# Altium PCB Radxa_E25_V1.4_20220119.PcbDoc (part 5 of 5)
Units mil, origin at the board's own origin, x right, y up, seen from the top; angles counter-clockwise.
Board outline 3106.31 x 2679.13 mil, 6 copper layers (Top, GND1, S1, Power, GND2, Bottom), stack 58.1 mil thick; 477 components, 352 nets, 1856 pads, 1064 vias.
Unrouted connection lines stored in the file: 297.
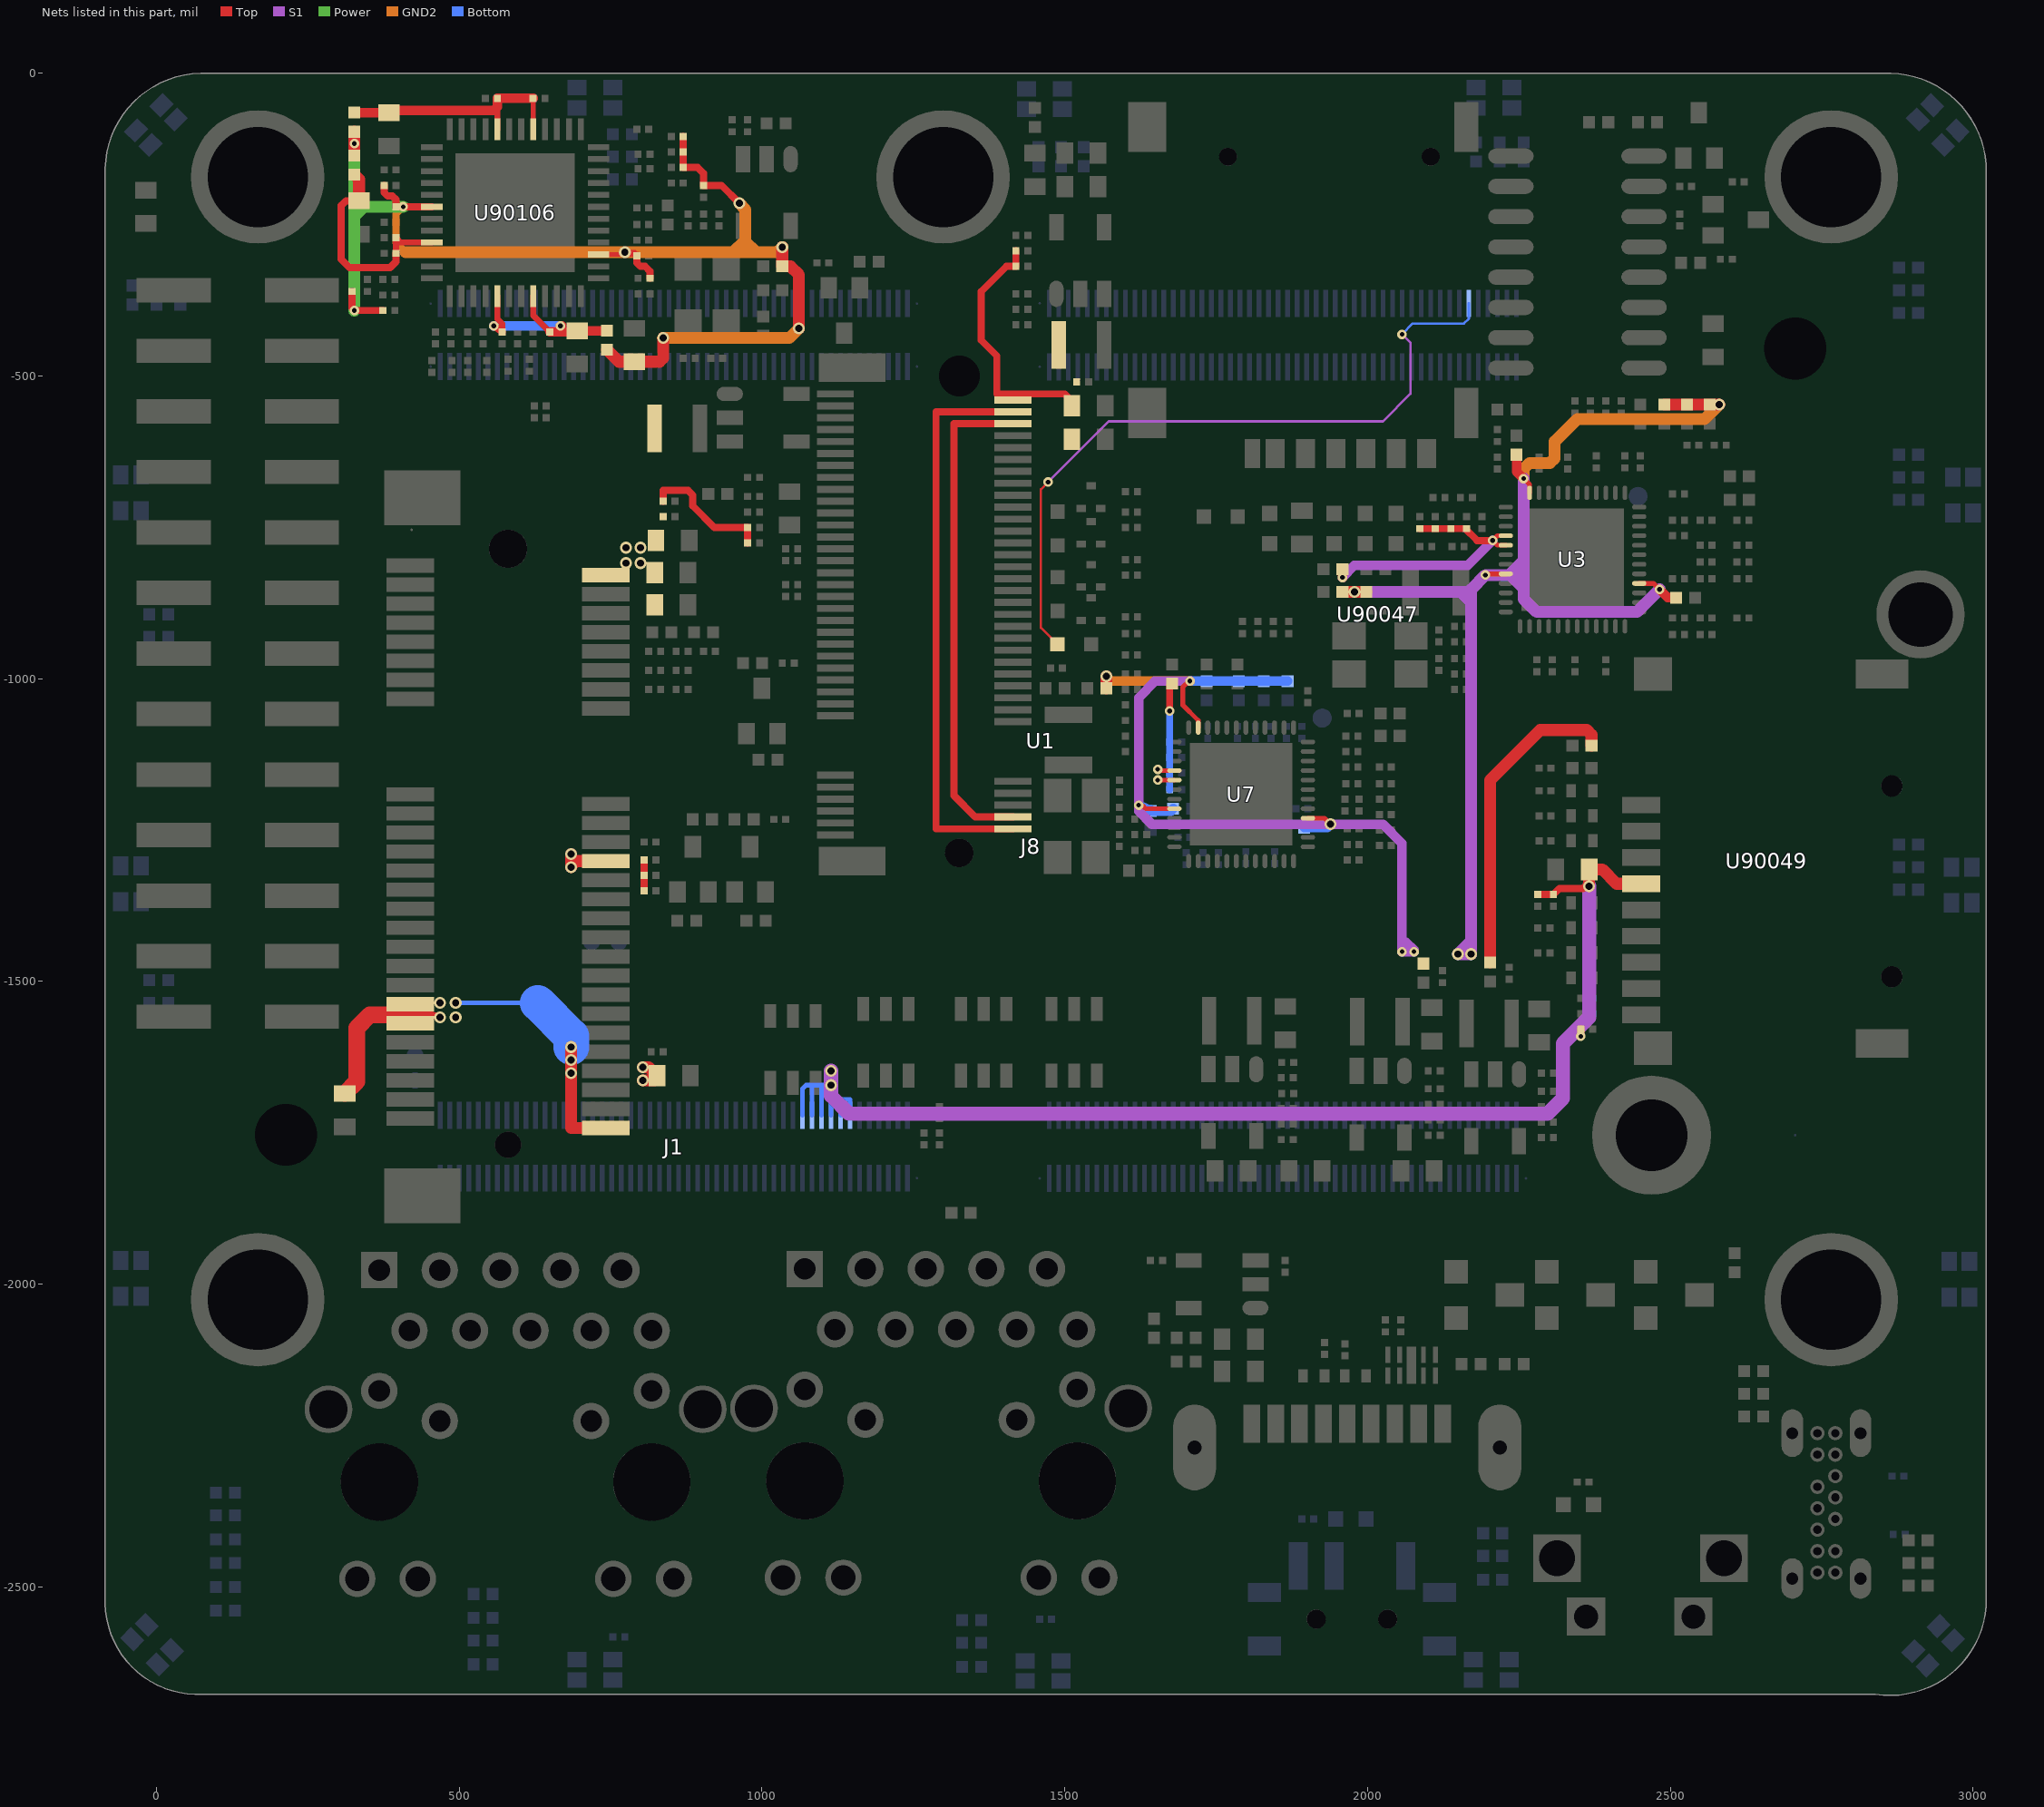
[diagram p9: the nets of this part, all layers, seen from the top]

## Via types
v1: diameter 15.75, hole 7.87, Top to Bottom, 825 vias
v2: diameter 19.68, hole 11.81, Top to Bottom, 239 vias

## Nets (pads, with @x,y where several pads share a name; then routed paths per layer and width w, separated by ;. In a path a pad name is that pad's centre, name@x,y a point inside that pad or via, vN(x,y) a via of type N, cw(c..) or ccw(c..) an arc to the next point about the centre after c; other vN are vias at no path point) (continued)
VCC: C90287.1 C90288.1 C90297.1 FB2.1 FB3.2 FB4.2 FB5.2 R90555.1 R90557.1 R90559.1 R90560.1 R90588.1 R90590.1 R90594.1 R90613.1 U90106.15 U90106.42 | length 2313.9
  Top w7.87: U90106.15@730.31,-299.21 791.34,-299.21 C90287.1@793.31,-301.18
  Top w11.81: R90560.1@322.83,-360.24 322.83,-387.8 v1(326.77,-391.73) R90557.1@374.02,-391.73 ; R90588.1@375.98,-185.04 375.98,-196.85 381.89,-202.76 389.76,-202.76 395.67,-208.66 C90288.1@395.67,-220.47 v1(407.48,-220.47) U90106.42@454.72,-220.47 ; v2(773.62,-295.28) 773.62,-297.24 789.37,-297.24 C90287.1@791.34,-299.21 ; C90287.1@793.31,-301.18 793.31,-312.99 799.21,-318.9 807.09,-318.9 814.96,-326.77 R90594.1@814.96,-338.58 ; R90555.1@870.08,-104.33 R90590.1@870.08,-129.92 R90559.1@870.08,-155.51 893.7,-155.51 903.54,-165.35 R90613.1@903.54,-185.04 933.07,-185.04 v2(962.6,-214.57)
  Top w19.68: FB4.2@326.77,-135.83 v1(326.77,-116.14) FB3.2@326.77,-96.46 ; FB5.2@744.09,-456.69 763.78,-476.38 830.71,-476.38 836.61,-470.47 v2(836.61,-437.01) ; v2(1033.46,-287.4) FB2.1@1033.46,-318.9 1047.24,-318.9 1061.02,-332.68 v2(1061.02,-421.26)
  Power w19.68: v1(326.77,-391.73) 326.77,-236.22 ; v1(326.77,-116.14) 326.77,-202.76 ; v1(407.48,-220.47) 342.52,-220.47 ; 326.77,-236.22 326.77,-220.47 ; 326.77,-236.22 342.52,-220.47 ; 326.77,-220.47 342.52,-220.47 ; 326.77,-220.47 326.77,-202.76 ; 326.77,-202.76 342.52,-218.5 342.52,-220.47
  GND2 w11.81: v1(407.48,-220.47) 395.67,-232.28 395.67,-279.53 411.42,-295.28
  GND2 w19.68: 411.42,-295.28 v2(773.62,-295.28) 952.76,-295.28 ; v2(836.61,-437.01) 1045.28,-437.01 v2(1061.02,-421.26) ; v2(962.6,-214.57) 972.44,-224.94 972.44,-277.56 ; v2(1033.46,-287.4) 1025.59,-295.28 990.16,-295.28 ; 952.76,-295.28 972.44,-295.28 ; 952.76,-295.28 970.47,-277.56 972.44,-277.56 ; 972.44,-295.28 990.16,-295.28 ; 972.44,-295.28 972.44,-277.56 ; 972.44,-277.56 990.16,-295.28
VCC3V3_MINIPCIE: C98.1 C99.1 C100.1 C101.1 C102.1 C103.1 C104.1 C105.1 C107.1 C108.1 C109.1 J8.2 J8.24 J8.39 J8.41 J8.52 L6.2 R109.1 | length 1096.6
  Top w11.81: 442.91,-1555.12 454.72,-1555.12 v2(468.5,-1559.06) ; C105.1@805.12,-1350.39 C99.1@805.12,-1324.8 C103.1@805.12,-1299.21 ; C101.1@836.61,-706.69 836.61,-688.98 877.95,-688.98 885.83,-696.85 885.83,-714.57 921.26,-750 C107.1@976.38,-750 R109.1@976.38,-775.59
  Top w19.68: v2(685.04,-1608.27) v2(685.04,-1629.92) v2(685.04,-1651.57) 685.04,-1742.13 J8.52@742.13,-1742.13 ; v2(685.04,-1311.02) v2@685.04,-1309.06 ; v2(685.04,-1289.37) v2@685.04,-1309.06 ; J8.24@742.13,-1301.18 692.91,-1301.18 v2@685.04,-1309.06 ; v2(803.15,-1663.39) 822.83,-1663.39 822.83,-1659.45 C98.1@826.77,-1655.51 812.99,-1641.73 v2(803.15,-1641.73)
  Top w27.56: C100.1@311.02,-1685.04 330.71,-1665.35 330.71,-1576.77 352.36,-1555.12 442.91,-1555.12
  Bottom w7.87: v2(494.09,-1535.43) 629.92,-1535.43
  Bottom w59.06: 629.92,-1535.43 685.04,-1590.55 v2(685.04,-1608.27)
  other v2: 494.09,-1559.06 468.5,-1535.43 775.59,-809.06 799.21,-809.06 775.59,-783.46 799.21,-783.46
VCC3V3_PCIE30X1: C90283.1 C90301.1 C90302.1 C90303.1 L7.2 R90652.1 U90047.2 U90047.4 U90047.70 U90047.72 U90047.74 | length 2183.9
  Top w11.81: U90047.2@1414.57,-1248.03 1287.4,-1248.03 1287.4,-559.06 U90047.72@1414.57,-559.06 ; U90047.4@1414.57,-1228.35 1352.36,-1228.35 1316.93,-1192.91 1316.93,-578.74 U90047.70@1414.57,-578.74 ; C90301.1@1419.29,-293.31 R90652.1@1419.29,-318.9 1403.54,-318.9 1362.2,-360.24 1362.2,-440.94 1387.8,-466.54 1387.8,-529.53 1500,-529.53 1511.81,-541.34 C90302.1@1511.81,-549.21
VCC3V3_SD: C122.1 C123.1 J1.78 J1.80 J1.82 J1.84 R145.1 R90615.2 U90049.4 | length 2125.1
  Top w11.81: R145.1@2281.5,-1356.3 C123.1@2307.09,-1356.3 2316.93,-1346.46 2356.3,-1346.46 2362.2,-1340.55 v2@2366.14,-1340.55 ; v1(2352.36,-1590.55) R90615.2@2352.36,-1578.74
  Top w19.68: v2(2366.14,-1342.52) 2366.14,-1340.55 C122.1@2366.14,-1314.96 2387.79,-1314.96 2411.42,-1338.58 U90049.4@2452.14,-1338.58
  S1 w11.81: 2350.39,-1574.8 2352.36,-1576.77 v1(2352.36,-1590.55)
  S1 w23.62: v2(1114.17,-1647.64) v2(1114.17,-1671.26) 1114.17,-1688.98 1143.7,-1718.5 2297.24,-1718.5 2322.83,-1692.91 2322.83,-1602.36 2350.39,-1574.8 2366.14,-1559.06 v2(2366.14,-1342.52)
  Bottom w7.87: J1.78@1066.93,-1720.87 1066.93,-1677.17 1072.83,-1671.26 1084.65,-1671.26 ; J1.80@1082.68,-1720.87 1082.68,-1673.23 1084.65,-1671.26 ; J1.82@1098.43,-1720.87 1098.43,-1673.23 ; J1.84@1114.17,-1720.87 v2(1114.17,-1671.26) 1084.65,-1671.26
VCC_BATTERY: J1.86 J1.88 | length 66.6
  Bottom w7.87: J1.86@1129.92,-1720.87 1129.92,-1696.85 1131.89,-1694.88 1145.67,-1694.88 J1.88@1145.67,-1720.87
VCCOA: C90289.1 C90290.1 C90299.1 FB5.1 U90106.5 U90106.8 | length 370.2
  Top w10: U90106.5@562.99,-368.11 562.99,-405.51 570.87,-413.39 C90289.1@570.87,-427.17 ; U90106.8@622.05,-368.11 622.05,-399.61 C90290.1@649.61,-427.17
  Top w11.81: v1(557.09,-417.32) C90289.1@570.87,-427.17
  Top w15.75: C90290.1@649.61,-427.17 669.29,-427.17 ; v1(667.32,-417.32) 669.29,-417.32 669.29,-427.17 ; FB5.1@744.09,-425.2 C90299.1@694.88,-425.2 694.88,-427.17 669.29,-427.17
  S1 w11.81: v1(667.32,-417.32) v1@669.29,-417.32
  Bottom w15.75: v1(557.09,-417.32) v1(667.32,-417.32)
VCCOB: C90291.1 C90292.1 C90296.1 FB3.1 U90106.29 U90106.32 | length 401.7
  Top w7.87: U90106.29@622.05,-92.52 C90291.1@622.05,-41.34
  Top w10: U90106.32@562.99,-92.52 562.99,-55.12
  Top w15.75: FB3.1@326.77,-64.96 C90296.1@383.86,-64.96 387.8,-61.02 557.09,-61.02 562.99,-55.12 C90292.1@562.99,-41.34 C90291.1@622.05,-41.34
VCCOC: C90293.1 C90294.1 C90298.1 FB4.1 U90106.45 | length 370
  Top w10: C90293.1@395.67,-297.24 C90294.1@395.67,-271.65 403.54,-279.53 U90106.45@454.72,-279.53
  Top w11.81: C90298.1@334.65,-210.63 312.99,-210.63 305.12,-218.5 305.12,-307.09 318.9,-320.87 385.83,-320.87 395.67,-311.02 C90293.1@395.67,-297.24
  Top w19.68: FB4.1@326.77,-167.32 334.65,-175.2 C90298.1@334.65,-210.63
VDD09/VDD10: C1.1 C2.1 C3.1 R4.1 R9.1 R10.1 R13.1 R21.2 R24.1 U3.8 U3.28 U3.47 | length 2711.8
  Top w7.87: v1(2194.88,-828.74) 2196.85,-826.77 U3.8@2228.35,-826.77 ; v1(2257.87,-669.29) 2267.72,-679.13 U3.47@2267.72,-692.91 ; U3.28@2448.82,-842.52 2472.44,-842.52 v1(2482.28,-852.36)
  Top w15.75: C2.1@2246.06,-629.92 2246.06,-657.48 v1(2257.87,-669.29) ; v1(2482.28,-852.36) 2496.06,-866.14 C1.1@2509.84,-866.14
  Top w19.68: C3.1@1958.66,-856.3 v2(1978.35,-856.3) R21.2@1998.03,-856.3 ; R24.1@2202.76,-1468.5 2202.76,-1167.32 2285.43,-1084.65 2362.2,-1084.65 2370.08,-1092.52 R4.1@2370.08,-1110.24 ; R13.1@2490.16,-547.24 R9.1@2527.56,-547.24 R10.1@2564.96,-547.24 v2(2580.71,-547.24)
  S1 w19.68: v2(1978.35,-856.3) 2153.54,-856.3 ; v1(2257.87,-669.29) 2257.87,-805.12 ; v1(2482.28,-852.36) 2444.88,-889.76 2279.53,-889.76 2257.87,-868.11 2257.87,-850.39 ; 2153.54,-856.3 2171.26,-856.3 ; 2153.54,-856.3 2171.26,-874.02 ; 2171.26,-1433.07 2160.43,-1443.9 v2(2149.61,-1454.72) v2(2171.26,-1454.72) 2171.26,-1433.07 ; 2171.26,-1433.07 2171.26,-874.02 ; 2171.26,-874.02 2171.26,-856.3 ; 2171.26,-856.3 2171.26,-852.36 v1(2194.88,-828.74) 2234.25,-828.74 ; 2234.25,-828.74 2236.22,-828.74 ; 2234.25,-828.74 2257.87,-805.12 ; 2236.22,-828.74 2257.87,-850.39 ; 2236.22,-828.74 2253.94,-828.74 2257.87,-832.68 ; 2257.87,-850.39 2257.87,-832.68 ; 2257.87,-832.68 2257.87,-805.12
  GND2 w19.68: v1(2257.87,-669.29) 2257.87,-653.54 2267.72,-643.7 2301.18,-643.7 2309.06,-635.83 2309.06,-608.27 2346.46,-570.87 2557.09,-570.87 v2(2580.71,-547.24)
VDD09/VDD10_PCIE3: C38.1 C40.1 C41.1 R50.1 R53.1 R54.1 R57.1 R65.2 R68.1 U7.8 U7.28 U7.47 | length 1594.5
  Top w7.87: v1(1622.05,-1208.66) 1622.05,-1210.63 1629.92,-1210.63 1633.86,-1214.57 U7.8@1681.1,-1214.57 ; v1(1706.69,-1003.94) 1704.72,-1003.94 1694.88,-1013.78 1694.88,-1043.31 1720.47,-1068.9 U7.47@1720.47,-1080.71 ; U7.28@1901.57,-1230.31 1929.13,-1230.31 v2(1938.98,-1240.16)
  Top w19.68: R65.2@1568.9,-1015.75 v2(1568.9,-996.06)
  S1 w15.75: v1(1706.69,-1003.94) 1649.61,-1003.94 1622.05,-1031.5 v1(1622.05,-1208.66) 1622.05,-1218.5 1643.7,-1240.16 v2(1938.98,-1240.16) 2025.59,-1240.16 2057.09,-1271.65 2057.09,-1435.04 ; 2057.09,-1435.04 v1(2057.09,-1450.79) v1(2076.77,-1450.79) 2076.77,-1448.2 2063.61,-1435.04 2057.09,-1435.04
  GND2 w15.75: v2(1568.9,-996.06) 1576.77,-1003.94 v1(1706.69,-1003.94)
  Bottom w15.75: v1(1622.05,-1208.66) 1639.76,-1216.54 1641.73,-1216.54 R50.1@1641.73,-1218.5 1675.2,-1218.5 C40.1@1679.13,-1214.57 ; v1(1706.69,-1003.94) C38.1@1734.25,-1003.94 R57.1@1787.4,-1003.94 R53.1@1828.74,-1003.94 R54.1@1868.11,-1003.94 ; C41.1@1895.67,-1246.06 1933.07,-1246.06 v2(1938.98,-1240.16)
VDDREG: C25.1 C26.1 C27.1 C28.1 R15.2 U3.4 U3.5 | length 467.1
  Top w3.94: C28.1@2161.42,-751.97 C28.1@2163.39,-751.97
  Top w7.87: U3.5@2228.35,-779.53 2214.57,-779.53 v1(2206.69,-771.65) 2214.57,-763.78 U3.4@2228.35,-763.78
  Top w11.81: C25.1@2086.61,-751.97 C27.1@2112.2,-751.97 C26.1@2137.8,-751.97 2161.42,-751.97 2181.1,-771.65 v1(2206.69,-771.65)
  Top w15.75: v1(1958.66,-832.68) R15.2@1958.66,-818.9
  S1 w15.75: v1(1958.66,-832.68) 1978.35,-812.99 2165.35,-812.99 v1(2206.69,-771.65)
VDDREG_PCIE3: C62.1 C63.1 C64.1 C65.1 R59.2 U7.4 U7.5 | length 233.9
  Top w7.87: v1(1653.54,-1167.32) U7.5@1681.1,-1167.32 ; v1(1653.54,-1149.61) 1653.54,-1151.57 U7.4@1681.1,-1151.57
  Top w11.81: v1(1673.23,-1053.15) 1673.23,-1011.81 R59.2@1677.17,-1007.87
  Bottom w11.81: C63.1@1673.23,-1183.07 C62.1@1673.23,-1155.51 C64.1@1673.23,-1129.92 C65.1@1673.23,-1104.33 v1(1673.23,-1053.15)
WL_NDIS: D3.2 U1.89 | length 1193.2
  Top w3.94: v1(1472.44,-675.2) 1460.63,-687.01 1460.63,-915.75 D3.2@1487.8,-942.91
  S1 w3.94: v1(1472.44,-675.2) 1572.83,-574.8 2025.59,-574.8 2070.87,-529.53 2070.87,-444.88 v1(2057.09,-431.1)
  Bottom w3.94: v1(2057.09,-431.1) 2074.8,-413.39 2159.45,-413.39 2167.32,-405.51 U1.89@2167.32,-379.92
pads on no net: C9$2F$X.1 C9$2F$X.2 C90295.2 J1.3 J1.4 J1.5 J1.6 J1.9 J1.10 J1.11 J1.15 J1.17 J1.21 J1.23 J1.24 J1.27 J1.28 J1.29 J1.30 J1.33 J1.35 J1.38 J1.39 J1.41 J1.44 J1.45 J1.46 J1.47 J1.50 J1.52 J1.54 J1.58 J1.60 J1.64 J1.66 J1.70 J1.74 J1.83 J1.93 J1.94 J1.98 J2.4 J2.6 J2.8 J2.10 J2.12 J2.14 J2.16 J2.18 J2.20 J2.24 J2.26 J2.28 J2.30 J2.34 J2.36 J2.38 J2.40 J2.44 J2.45 J2.46 J2.47 J2.49 J2.50 J2.51 J2.52 J2.53 J2.54 J2.55 J2.58 J2.59 J2.60 J2.61 J2.63 J2.64 J2.65 J2.66 J2.67 J2.69 J2.70 J2.73 J2.74 J2.75 J2.78 J2.79 J2.80 J2.82 J2.83 J2.84 J2.86 J2.87 J2.88 J2.89 J2.92 J2.93 J2.94 J2.95 J2.96 J2.98 J3.11 J3.12 J3.13 J3.14 J3.21 J3.22 J4.11 J4.12 J4.13 J4.14 J4.21 J4.22 J5.4 J5.5 J8.3 J8.5 J8.6 J8.16 J8.17 J8.19 J8.20 J8.28 J8.42 J8.46 J8.48 J8.49 J8.51 J8.53 J8.54 R62$2F$X.1 R62$2F$X.2 R90592.1 U1.3 U1.4 U1.5 U1.6 U1.9 U1.10 U1.11 U1.12 U1.15 U1.16 U1.17 U1.18 U1.19 U1.20 U1.25 U1.27 U1.29 U1.30 U1.35 U1.36 U1.37 U1.41 U1.56 U1.58 U1.64 U1.68 U1.70 U1.72 U1.73 U1.75 U1.80 U1.82 U1.92 U1.93 U1.94 U1.96 U1.97 U1.99 U1.100 U1.104 U1.106 U1.111 U1.115 U1.117 U1.121 U1.123 U1.127 U1.128 U1.129 U1.130 U1.133 U1.134 U1.135 U1.136 U1.139 U1.140 U1.141 U1.142 U1.143 U1.145 U1.146 U1.147 U1.148 U1.149 U1.151 U1.152 U1.153 U1.154 U1.157 U1.158 U1.159 U1.160 U1.163 U1.164 U1.165 U1.166 U1.169 U1.170 U1.171 U1.172 U1.175 U1.176 U1.177 U1.178 U1.181 U1.182 U1.183 U1.184 U1.187 U1.188 U1.189 U1.190 U1.193 U1.194 U1.195 U1.196 U1.199 U1.200 U19.8 U19.9 U19.10 U19.11 U19.12 U19.13 U19.14 U19.15 U90047.1 U90047.10 U90047.20 U90047.22 U90047.24 U90047.25 U90047.28 U90047.29 U90047.31 U90047.35 U90047.37 U90047.40 U90047.42 U90047.44 U90047.46 U90047.48 U90047.50 U90047.52 U90047.53 U90047.54 U90047.55 U90047.56 U90047.58 U90047.59 U90047.60 U90047.61 U90047.62 U90047.63 U90047.64 U90047.65 U90047.68 U90047.79 U90047.80 U90048.6 U90048.12 U90048.13 U90049.14 U90049.15 U90106.9 U90106.10 U90106.11 U90106.12 U90106.20 U90106.21 U90106.25 U90106.26 U90106.27 U90106.28 U90106.30 U90106.31 U90106.33 U90106.34 U90106.35 U90106.36 U90106.38 U90106.40 U90106.41

## Polygon pours and split planes (outlines as drawn)
5V on S1 (solid, remove dead copper, pour order 18): 2568.9,-273.62 2523.62,-228.35 1517.72,-228.35 1472.44,-273.62 311.02,-273.62 147.64,-437.01 147.64,-525.59 324.8,-525.59 324.8,-470.47 407.48,-387.8 2452.76,-387.8 2476.38,-411.42 2476.38,-509.84 2486.22,-519.68 2559.06,-519.68 2566.93,-511.81 2568.9,-511.81
+V3P3A on S1 (solid, remove dead copper, pour order 16): 1925.2,-1767.72 1925.2,-1822.83 2187.01,-1822.83 2187.01,-1767.72
VCC3V3_MINIPCIE on S1 (solid, remove dead copper, pour order 14): 812.99,-769.68 645.67,-769.68 645.67,-1659.45 661.42,-1675.2 809.06,-1675.2 812.99,-1671.26
VDD09/VDD10_PCIE3 on S1 (solid, remove dead copper, pour order 10): 2084.65,-1460.63 2084.65,-1279.53 2025.59,-1220.47 1661.42,-1220.47 1641.73,-1200.79 1641.73,-1053.15 1671.26,-1023.62 1722.44,-1023.62 1722.44,-992.13 1641.73,-992.13 1618.11,-1015.75 1618.11,-1230.31 1647.64,-1259.84 2023.62,-1259.84 2041.34,-1277.56 2041.34,-1460.63
+V3P3A on S1 (solid, remove dead copper, pour order 8): 2098.43,-779.53 1940.94,-779.53 1777.56,-942.91 1592.19,-942.91 1537.4,-1012.12 1537.4,-1614.17 1938.98,-1614.17 1938.98,-1570.87 1608.27,-1570.87 1608.27,-1015.75 1651.57,-972.44 1792.32,-972.44 1959.65,-805.12 2098.43,-805.12
GND on S1 (solid, remove dead copper, pour order 0): -110.24,25.59 -110.24,-2704.72 3047.24,-2704.72 3047.24,25.59
GND on GND2 (solid, remove dead copper, pour order 2): -125.98,41.34 -125.98,-2720.47 3062.99,-2720.47 3062.99,41.34
5V on Bottom (solid, remove dead copper, pour order 12): 1663.39,-1948.82 1663.39,-2041.34 1673.23,-2051.18 2139.76,-2051.18 2431.1,-2342.52 2624.02,-2342.52 2635.83,-2354.33 2635.83,-2440.94 2647.64,-2452.76 2785.43,-2452.76 2785.43,-2425.2 2732.28,-2425.2 2716.54,-2409.45 2716.54,-2328.74 2750,-2295.28 2785.43,-2295.28 2785.43,-2265.75 2470.47,-2265.75 2153.54,-1948.82
GND on Bottom (solid, remove dead copper, pour order 4): -133.86,49.21 -133.86,-2728.35 3070.87,-2728.35 3070.87,49.21
GND on Power (solid, remove dead copper, pour order 6): -118.11,33.46 -118.11,-2712.6 3055.12,-2712.6 3055.12,33.46
GND on Top (solid, remove dead copper, pour order 20): -94.49,9.84 -94.49,-2688.98 3031.5,-2688.98 3031.5,9.84
GND on GND1 (split plane): 2864.17,0 2874.13,-0.24 2893.85,-3.17 2913.07,-8.5 2931.48,-16.15 2948.82,-26 2964.82,-37.9 2979.23,-51.68 2991.85,-67.12 3002.48,-83.99 3010.95,-102.04 3017.14,-121 3020.97,-140.57 3021.66,-150.51 3021.65,-150.39 3021.65,-2531.5 3021.64,-2531.63 3020.88,-2542.59 3016.34,-2564.08 3008.88,-2584.74 2998.64,-2604.18 2985.83,-2622.02 2970.67,-2637.92 2953.47,-2651.58 2934.54,-2662.73 2914.27,-2671.18 2893.02,-2676.74 2871.2,-2679.32 2849.24,-2678.87 2838.58,-2677.17 76.77,-2677.17 76.69,-2677.17 66.45,-2677.76 46,-2676.19 25.94,-2671.9 6.64,-2664.95 -11.57,-2655.49 -28.34,-2643.68 -43.38,-2629.73 -56.41,-2613.89 -67.21,-2596.45 -75.58,-2577.72 -81.37,-2558.04 -84.47,-2537.76 -84.65,-2527.51 -84.65,-2527.56 -84.65,-157.48 -84.65,-157.49 -84.43,-147.23 -81.4,-126.93 -75.81,-107.18 -67.75,-88.3 -57.37,-70.59 -44.81,-54.35 -30.3,-39.83 -14.06,-27.28 3.65,-16.89 22.53,-8.84 42.28,-3.25 62.59,-0.21 72.84,0 72.83,0 72.85,0 72.84,0 2864.17,0 2864.16,0

## Keep-outs
Top:
  region: 1035.43,-1600.39 1190.94,-1600.39 1190.94,-1618.11 1035.43,-1618.11 1035.43,-1600.39
  region: 850.39,-261.81 868.11,-261.81 868.11,-311.02 850.39,-311.02 850.39,-261.81
  region: 1700.79,-2135.83 1694.88,-2135.83 1694.88,-2175.2 1700.79,-2175.2 1700.79,-2135.83
  region: 1350.39,-438.98 1354.33,-438.98 1354.33,-462.6 1350.39,-462.6 1350.39,-438.98
  region: 2413.39,-287.4 2421.26,-287.4 2421.26,-350.39 2413.39,-350.39 2413.39,-287.4
  region: 1210.63,-1503.94 1261.81,-1503.94 1261.81,-1496.06 1210.63,-1496.06 1210.63,-1503.94
  region: 2273.62,-972.44 2257.87,-972.44 2257.87,-1007.87 2273.62,-1007.87 2273.62,-972.44
  region: 2088.58,-897.64 2133.86,-897.64 2133.86,-874.02 2088.58,-874.02 2088.58,-897.64
  region: 2622.05,-1868.11 2600.39,-1868.11 2600.39,-2019.68 2622.05,-2019.68 2622.05,-1868.11
  region: 824.8,-1765.75 927.17,-1765.75 927.17,-1818.9 824.8,-1818.9 824.8,-1765.75
  region: 1494.09,-226.38 1529.53,-226.38 1529.53,-236.22 1494.09,-236.22 1494.09,-226.38
  region: 836.61,-68.9 944.88,-68.9 944.88,-98.43 836.61,-98.43 836.61,-68.9
  region: 2523.62,-157.48 2501.97,-157.48 2501.97,-212.6 2523.62,-212.6 2523.62,-157.48
  region: 1377.95,-1503.94 1419.29,-1503.94 1419.29,-1498.03 1377.95,-1498.03 1377.95,-1503.94
  region: 2580.71,-608.27 2590.55,-608.27 2590.55,-645.67 2580.71,-645.67 2580.71,-608.27
  region: 1423.23,-1635.83 1423.23,-1690.94 1259.84,-1854.33 1259.84,-2088.58 1511.81,-2088.58 1511.81,-1986.22 1444.88,-1919.29 1444.88,-1785.43 1474.41,-1755.91 1476.38,-1755.91 1549.21,-1683.07 1549.21,-1635.83 1423.23,-1635.83
  region: 478.35,-344.49 712.6,-344.49 712.6,-411.42 478.35,-411.42 478.35,-344.49
  region: 1326.77,-460.63 1375.98,-460.63 1375.98,-468.5 1326.77,-468.5 1326.77,-460.63
  region: 1482.28,-956.69 1490.16,-956.69 1490.16,-1029.53 1482.28,-1029.53 1482.28,-956.69
  region: 2562.99,-324.8 2474.41,-324.8 2474.41,-338.58 2562.99,-338.58 2562.99,-324.8
  region: 1665.35,-834.65 1635.83,-834.65 1635.83,-828.74 1665.35,-828.74 1665.35,-834.65
  region: 2570.87,-305.12 2572.83,-305.12 2572.83,-332.68 2570.87,-332.68 2570.87,-305.12
  region: 797.24,-163.39 842.52,-163.39 842.52,-179.13 797.24,-179.13 797.24,-163.39
  region: 442.91,-1901.57 409.45,-1935.04 409.45,-2102.36 708.66,-2102.36 708.66,-1937.01 608.27,-1937.01 572.83,-1901.57 442.91,-1901.57
  region: 1753.94,-897.64 1795.28,-897.64 1795.28,-907.48 1753.94,-907.48 1753.94,-897.64
  region: 1531.5,-155.51 1501.97,-155.51 1501.97,-147.64 1531.5,-147.64 1531.5,-155.51
  region: 1551.18,-818.9 1547.24,-818.9 1547.24,-862.2 1551.18,-862.2 1551.18,-818.9
  region: 2397.64,-1011.81 2251.97,-1011.81 2251.97,-1009.84 2397.64,-1009.84 2397.64,-1011.81
  region: 1895.67,-596.46 2116.14,-596.46 2116.14,-624.02 1895.67,-624.02 1895.67,-596.46
  region: 82.68,-1084.65 218.5,-1084.65 218.5,-1068.9 82.68,-1068.9 82.68,-1084.65
  region: 297.24,-1084.65 332.68,-1084.65 332.68,-1074.8 297.24,-1074.8 297.24,-1084.65
  region: 816.93,-2112.2 716.54,-2112.2 716.54,-2088.58 816.93,-2088.58 816.93,-2112.2
  region: 2413.39,-332.68 2431.1,-332.68 2431.1,-438.98 2413.39,-438.98 2413.39,-332.68
  region: 2072.83,-2027.56 2188.98,-2027.56 2188.98,-2017.72 2072.83,-2017.72 2072.83,-2027.56
  region: 820.87,-1915.35 775.59,-1915.35 775.59,-1856.3 820.87,-1856.3 820.87,-1915.35
  region: 968.5,-425.2 988.19,-425.2 988.19,-437.01 968.5,-437.01 968.5,-425.2
  region: 1561.02,-956.69 1555.12,-956.69 1555.12,-980.31 1561.02,-980.31 1561.02,-956.69
  region: 1734.25,-748.03 1793.31,-748.03 1793.31,-744.09 1734.25,-744.09 1734.25,-748.03
  region: 1937.01,-2198.82 2108.27,-2198.82 2108.27,-2188.98 1937.01,-2188.98 1937.01,-2198.82
  region: 1179.13,-437.01 1118.11,-437.01 1118.11,-427.17 1179.13,-427.17 1179.13,-437.01
  region: 2535.43,-594.49 2594.49,-594.49 2594.49,-590.55 2535.43,-590.55 2535.43,-594.49
  region: -39.37,-374.02 -9.84,-374.02 -9.84,-655.51 -39.37,-655.51 -39.37,-374.02
  region: 1431.1,-1505.91 1492.13,-1505.91 1492.13,-1496.06 1431.1,-1496.06 1431.1,-1505.91
  region: 1059.06,-1277.56 1051.18,-1277.56 1051.18,-1320.87 1059.06,-1320.87 1059.06,-1277.56
  region: 862.2,-183.07 858.27,-183.07 858.27,-214.57 862.2,-214.57 862.2,-183.07
  region: 2192.91,-135.83 2206.69,-135.83 2206.69,-190.94 2192.91,-190.94 2192.91,-135.83
  region: 1082.68,-1519.68 1082.68,-1742.13 1212.6,-1742.13 1212.6,-1667.32 1157.48,-1667.32 1157.48,-1519.68 1082.68,-1519.68
  region: 649.61,-1866.14 700.79,-1866.14 700.79,-1919.29 649.61,-1919.29 649.61,-1866.14
  region: 2368.11,-64.96 2531.5,-64.96 2531.5,-94.49 2368.11,-94.49 2368.11,-64.96
  region: -37.4,-870.08 94.49,-870.08 94.49,-1082.68 -37.4,-1082.68 -37.4,-870.08
  region: 2023.62,-2181.1 1976.38,-2181.1 1976.38,-2175.2 2023.62,-2175.2 2023.62,-2181.1
  region: 2279.53,-482.28 2271.65,-482.28 2271.65,-421.26 2279.53,-421.26 2279.53,-482.28
  region: 1559.06,-966.54 1596.46,-966.54 1596.46,-974.41 1559.06,-974.41 1559.06,-966.54
  region: 1055.12,-1793.31 927.17,-1793.31 927.17,-1744.09 1055.12,-1744.09 1055.12,-1793.31
  region: 1338.58,-1582.68 1535.43,-1582.68 1535.43,-1616.14 1338.58,-1616.14 1338.58,-1582.68
  region: 958.66,-590.55 994.09,-590.55 994.09,-604.33 958.66,-604.33 958.66,-590.55
  region: 1053.15,-1515.75 1098.43,-1515.75 1098.43,-1517.72 1053.15,-1517.72 1053.15,-1515.75
  region: 1070.87,-318.9 1112.2,-318.9 1112.2,-332.68 1070.87,-332.68 1070.87,-318.9
  region: 2175.2,-622.05 2102.36,-622.05 2102.36,-631.89 2175.2,-631.89 2175.2,-622.05
  region: 1982.28,-2151.57 1976.38,-2151.57 1976.38,-2181.1 1982.28,-2181.1 1982.28,-2151.57
  region: 2185.04,-218.5 2293.31,-218.5 2293.31,-425.2 2185.04,-425.2 2185.04,-218.5
  region: 1122.05,-2110.24 1517.72,-2110.24 1517.72,-2080.71 1122.05,-2080.71 1122.05,-2110.24
  region: 1110.24,-1736.22 1175.2,-1736.22 1175.2,-1779.53 1110.24,-1779.53 1110.24,-1736.22
  region: 2438.98,-1992.13 2415.35,-1992.13 2415.35,-2080.71 2438.98,-2080.71 2438.98,-1992.13
  region: 2413.39,-118.11 2423.23,-118.11 2423.23,-255.91 2413.39,-255.91 2413.39,-118.11
  region: 1968.5,-1025.59 1911.42,-1025.59 1911.42,-1033.46 1968.5,-1033.46 1968.5,-1025.59
  region: 2641.73,-222.44 2598.43,-222.44 2598.43,-234.25 2641.73,-234.25 2641.73,-222.44
  region: 2257.87,-2147.64 2188.98,-2147.64 2188.98,-2127.95 2257.87,-2127.95 2257.87,-2147.64
S1:
  region: 1568.9,-1891.73 1578.74,-1891.73 1578.74,-1909.45 1568.9,-1909.45 1568.9,-1891.73
  region: 2584.65,-250 2572.83,-250 2572.83,-271.65 2584.65,-271.65 2584.65,-250
  region: 2204.72,-757.87 2253.94,-757.87 2253.94,-771.65 2204.72,-771.65 2204.72,-757.87
  region: 2068.9,-431.1 2208.66,-431.1 2208.66,-448.82 2068.9,-448.82 2068.9,-431.1
  region: 2255.91,-962.6 2183.07,-962.6 2183.07,-950.79 2255.91,-950.79 2255.91,-962.6
  region: 2279.53,-972.44 2309.06,-972.44 2309.06,-970.47 2279.53,-970.47 2279.53,-972.44
  region: 2572.83,-257.87 2598.43,-257.87 2598.43,-263.78 2572.83,-263.78 2572.83,-257.87
  region: 2273.62,-533.46 2273.62,-600.39 2425.2,-600.39 2425.2,-533.46 2273.62,-533.46
  region: 2407.48,-598.43 2452.76,-598.43 2452.76,-637.8 2407.48,-637.8 2407.48,-598.43
  region: 1972.44,-816.93 2017.72,-816.93 2017.72,-848.43 1972.44,-848.43 1972.44,-816.93
  region: 2519.68,-677.17 2549.21,-677.17 2549.21,-710.63 2519.68,-710.63 2519.68,-677.17
GND2:
  region: 618.11,-1064.96 637.8,-1064.96 637.8,-1153.54 618.11,-1153.54 618.11,-1064.96
  region: 836.61,-1175.2 828.74,-1175.2 828.74,-1149.61 836.61,-1149.61 836.61,-1175.2
  region: 984.25,-1051.18 976.38,-1051.18 976.38,-1086.61 984.25,-1086.61 984.25,-1051.18
  region: 604.33,-1131.89 559.06,-1131.89 559.06,-1137.8 604.33,-1137.8 604.33,-1131.89
  region: 2399.61,-2389.76 2464.57,-2389.76 2464.57,-2397.64 2399.61,-2397.64 2399.61,-2389.76
  region: 2377.95,-685.04 2425.2,-685.04 2425.2,-683.07 2377.95,-683.07 2377.95,-685.04
  region: 1177.17,-1086.61 1179.13,-1086.61 1179.13,-1125.98 1177.17,-1125.98 1177.17,-1086.61
  region: 2515.75,-584.65 2561.02,-584.65 2561.02,-643.7 2515.75,-643.7 2515.75,-584.65
Bottom:
  region: 2773.62,-1285.43 2777.56,-1285.43 2777.56,-1352.36 2773.62,-1352.36 2773.62,-1285.43
  region: 2846.46,-322.83 2856.3,-322.83 2856.3,-350.39 2846.46,-350.39 2846.46,-322.83
  region: 2872.05,-2236.22 2881.89,-2236.22 2881.89,-2190.94 2872.05,-2190.94 2872.05,-2236.22
  region: -23.62,-2431.1 -110.24,-2431.1 -110.24,-2409.45 -23.62,-2409.45 -23.62,-2431.1
  region: 2850.39,-2602.36 2885.83,-2602.36 2885.83,-2608.27 2850.39,-2608.27 2850.39,-2602.36
  region: -27.56,-505.91 -114.17,-505.91 -114.17,-480.31 -27.56,-480.31 -27.56,-505.91
  region: 1657.48,-405.51 1663.39,-405.51 1663.39,-438.98 1657.48,-438.98 1657.48,-405.51
  region: -21.65,-946.85 -122.05,-946.85 -122.05,-933.07 -21.65,-933.07 -21.65,-946.85
  region: -13.78,-980.31 9.84,-980.31 9.84,-984.25 -13.78,-984.25 -13.78,-980.31
  region: 2994.09,-399.61 3019.68,-399.61 3019.68,-393.7 2994.09,-393.7 2994.09,-399.61
  region: 2175.2,-2462.6 2188.98,-2462.6 2188.98,-2531.5 2175.2,-2531.5 2175.2,-2462.6
  region: 2818.9,-633.86 2836.61,-633.86 2836.61,-767.72 2818.9,-767.72 2818.9,-633.86
  region: 2982.28,-2564.96 3013.78,-2564.96 3013.78,-2574.8 2982.28,-2574.8 2982.28,-2564.96
  region: 2946.85,-775.59 3023.62,-775.59 3023.62,-767.72 2946.85,-767.72 2946.85,-775.59
  region: 2862.2,-387.8 2874.02,-387.8 2874.02,-360.24 2862.2,-360.24 2862.2,-387.8
  region: 181.1,-2460.63 155.51,-2460.63 155.51,-2535.43 181.1,-2535.43 181.1,-2460.63
  region: 2988.19,-1421.26 3023.62,-1421.26 3023.62,-1411.42 2988.19,-1411.42 2988.19,-1421.26
  region: 23.62,-799.21 13.78,-799.21 13.78,-846.46 23.62,-846.46 23.62,-799.21
  region: 181.1,-2344.49 161.42,-2344.49 161.42,-2421.26 181.1,-2421.26 181.1,-2344.49
  region: 2133.86,-2454.72 2171.26,-2454.72 2171.26,-2448.82 2133.86,-2448.82 2133.86,-2454.72
  region: -47.24,-1545.28 -100.39,-1545.28 -100.39,-1535.43 -47.24,-1535.43 -47.24,-1545.28
  region: 2220.47,-427.17 2224.41,-427.17 2224.41,-462.6 2220.47,-462.6 2220.47,-427.17
  region: 446.85,-2584.65 454.72,-2584.65 454.72,-2618.11 446.85,-2618.11 446.85,-2584.65
  region: 816.93,-2633.86 805.12,-2633.86 805.12,-2677.17 816.93,-2677.17 816.93,-2633.86
  region: 614.17,-1698.82 635.83,-1698.82 635.83,-1692.91 614.17,-1692.91 614.17,-1698.82
  region: 2287.4,-411.42 2246.06,-411.42 2246.06,-403.54 2287.4,-403.54 2287.4,-411.42
  region: 21.65,-1411.42 13.78,-1411.42 13.78,-1458.66 21.65,-1458.66 21.65,-1411.42
  region: 61.02,-2643.7 51.18,-2643.7 51.18,-2677.17 61.02,-2677.17 61.02,-2643.7
  region: 564.96,-2635.83 574.8,-2635.83 574.8,-2675.2 564.96,-2675.2 564.96,-2635.83
  region: 2793.31,-1401.57 2805.12,-1401.57 2805.12,-1352.36 2793.31,-1352.36 2793.31,-1401.57
  region: 1251.97,-2596.46 1271.65,-2596.46 1271.65,-2598.43 1251.97,-2598.43 1251.97,-2596.46
Keep-Out Layer:
  lines w3.94: -84.65,-2527.56 -84.65,-157.48 cw(c76.22,-160.86) 72.85,0 2864.17,0 ; -84.65,-2527.51 ccw(c67.91,-2524.84) 76.69,-2677.17 ; 76.77,-2677.17 2838.58,-2677.17 ; 2838.39,-2677.14 ccw(c2863.47,-2520.57) 3021.64,-2531.63 ; 2864.16,0 cw(c2860.21,-161.8) 3021.66,-150.51 ; 3021.65,-2531.5 3021.65,-150.39

## Other copper
Top:
  region net VCC3V3_MINIPCIE: 667.32,-1277.56 667.32,-1320.87 694.88,-1320.87 694.88,-1312.99 811.02,-1312.99 811.02,-1287.4 696.85,-1287.4 696.85,-1277.56 667.32,-1277.56
  region net +V3P3A: 2019.68,-1730.31 1929.13,-1730.31 1929.13,-1830.71 2019.68,-1830.71 2019.68,-1730.31
  region net CORE_SOURCE_16741210: 2019.68,-809.06 2019.68,-897.64 2086.61,-897.64 2086.61,-809.06 2019.68,-809.06
  region net VCC3V3_MINIPCIE: 842.52,-773.62 702.76,-773.62 702.76,-840.55 791.34,-840.55 795.28,-844.49 795.28,-891.73 799.21,-895.67 842.52,-895.67 842.52,-773.62
  region net +V3P3A: 2096.46,-1773.62 2096.46,-1830.71 2145.67,-1830.71 2185.04,-1791.34 2185.04,-1742.13 2143.7,-1742.13 2143.7,-1765.75 2135.83,-1773.62 2096.46,-1773.62
  region net N16828421: 2159.45,-1529.53 2159.45,-1671.26 2187.01,-1671.26 2187.01,-1529.53 2159.45,-1529.53
  region net VCC3V3_PCIE30X1: 1444.88,-1222.44 1281.5,-1222.44 1281.5,-1253.94 1444.88,-1253.94 1444.88,-1222.44
  region net REG_OUT: 1464.57,-1127.95 1464.57,-1157.48 1574.8,-1157.48 1590.55,-1173.23 1610.24,-1173.23 1639.76,-1202.76 1663.39,-1202.76 1663.39,-1190.94 1643.7,-1190.94 1580.71,-1127.95 1464.57,-1127.95
  region net GND: 2791.34,-1562.99 2913.39,-1562.99 2913.39,-1639.76 2791.34,-1639.76 2791.34,-1562.99
  region net LAN_EXT_CORE_PCIE3: 2139.76,-1498.03 2039.37,-1498.03 2039.37,-1608.27 2074.8,-1608.27 2074.8,-1566.93 2139.76,-1566.93 2139.76,-1498.03
  region net 5V: 1984.25,-2023.62 2078.74,-2023.62 2078.74,-1962.6 2096.46,-1944.88 2222.44,-1944.88 2222.44,-1860.24 2102.36,-1860.24 2102.36,-1872.05 2096.46,-1877.95 1887.8,-1877.95 1984.25,-1974.41 1984.25,-2023.62
  region net VDD09/VDD10_PCIE3: 2108.27,-1450.79 2100.39,-1442.91 2055.12,-1442.91 2047.24,-1450.79 2047.24,-1486.22 2108.27,-1486.22 2108.27,-1450.79
  region net VBUS_TYPEC: 1803.15,-2023.62 1803.15,-2181.1 1809.06,-2187.01 1832.68,-2187.01 1834.65,-2188.98 1834.65,-2257.87 1860.24,-2257.87 1860.24,-2200.79 1868.11,-2192.91 1868.11,-2029.53 1862.2,-2023.62 1803.15,-2023.62
  region net 5V: 1029.53,-59.06 1029.53,-159.45 1045.28,-175.2 1045.28,-187.01 1055.12,-196.85 1104.33,-196.85 1104.33,-74.8 1088.58,-59.06 1029.53,-59.06
  region net 5V: 1722.44,-1728.35 1773.62,-1728.35 1773.62,-1866.14 1722.44,-1866.14 1722.44,-1728.35
  region net REG_OUT_16741732: 2208.66,-807.09 2163.39,-807.09 2157.48,-812.99 2135.83,-812.99 2135.83,-897.64 2167.32,-897.64 2169.29,-895.67 2169.29,-828.74 2183.07,-814.96 2208.66,-814.96 2208.66,-807.09
  region net VCC3V3_MINIPCIE: 694.88,-1594.49 669.29,-1594.49 669.29,-1753.94 773.62,-1753.94 773.62,-1730.31 694.88,-1730.31 694.88,-1594.49
  region net 5V: 1533.46,-112.2 1596.46,-112.2 1596.46,-275.59 1533.46,-275.59 1533.46,-112.2
  region net VCC3V3_PCIE30X1: 1281.5,-1159.45 1322.83,-1159.45 1322.83,-1181.1 1395.67,-1253.94 1281.5,-1253.94 1281.5,-1159.45
  region net 5V: 1641.73,-1982.28 1641.73,-2061.02 1645.67,-2064.96 1667.32,-2064.96 1681.1,-2051.18 1724.41,-2051.18 1724.41,-1982.28 1641.73,-1982.28
  region net 5V: 2511.81,-446.85 2604.33,-446.85 2604.33,-513.78 2511.81,-513.78 2511.81,-446.85
  region net VCC3V3_MINIPCIE: 379.92,-1580.71 503.94,-1580.71 503.94,-1525.59 379.92,-1525.59 379.92,-1580.71
  region net VCC3V3_PCIE30X1: 1525.59,-409.45 1525.59,-624.02 1490.16,-624.02 1450.79,-584.65 1379.92,-584.65 1379.92,-511.81 1385.83,-505.91 1462.6,-505.91 1472.44,-496.06 1472.44,-409.45 1525.59,-409.45
  region net VCC3V3_PCIE30X1: 1281.5,-543.31 1421.26,-543.31 1421.26,-584.65 1281.5,-584.65 1281.5,-543.31
  region net VCC3V3_PCIE30X1: 1283.46,-553.15 1446.85,-553.15 1446.85,-584.65 1283.46,-584.65 1283.46,-553.15
  region net CORE_SOURCE: 1545.28,-1074.8 1464.57,-1074.8 1464.57,-1033.46 1545.28,-1033.46 1545.28,-1074.8
  region net VDD09/VDD10: 2141.73,-1444.88 2141.73,-1478.35 2210.63,-1478.35 2210.63,-1444.88 2141.73,-1444.88
  region net N17044724: 1551.18,-340.55 1551.18,-492.13 1582.68,-492.13 1582.68,-340.55 1551.18,-340.55
  region net N16762683: 1996.06,-1531.5 1966.54,-1531.5 1966.54,-1661.42 1968.5,-1663.39 1996.06,-1663.39 1996.06,-1531.5
  region net N16822878: 1755.91,-1525.59 1726.38,-1525.59 1726.38,-1667.32 1755.91,-1667.32 1755.91,-1525.59
  region net VCC3V3_PCIE30X1: 1281.5,-1253.94 1322.83,-1253.94 1322.83,-543.31 1281.5,-543.31 1281.5,-1253.94
  region net REG_OUT: 1584.65,-1161.42 1584.65,-1173.23 1598.43,-1173.23 1618.11,-1192.91 1635.83,-1192.91 1635.83,-1187.01 1610.24,-1161.42 1584.65,-1161.42
  region net GND: 2805.12,-956.69 2805.12,-1029.53 2901.57,-1029.53 2901.57,-972.44 2842.52,-972.44 2842.52,-956.69 2805.12,-956.69
  region net LAN_EXT_CORE: 2188.98,-1488.19 2188.98,-1519.68 2224.41,-1519.68 2224.41,-1608.27 2251.97,-1608.27 2251.97,-1559.06 2305.12,-1559.06 2305.12,-1488.19 2188.98,-1488.19
  region net 5V: 1027.56,-704.72 1078.74,-704.72 1078.74,-594.49 1027.56,-594.49 1027.56,-704.72
  region net N16824242: 883.86,-541.34 915.35,-541.34 915.35,-637.8 883.86,-637.8 883.86,-541.34
  region net N16824242: 883.86,-637.8 970.47,-637.8 970.47,-596.46 883.86,-596.46 883.86,-637.8
  region net +V3P3A: 1870.08,-1702.76 1870.08,-1744.09 1927.17,-1744.09 1927.17,-1702.76 1870.08,-1702.76
  region net 5V: 2011.81,-269.68 2011.81,-334.65 2187.01,-334.65 2187.01,-269.68 2011.81,-269.68
  region net 5V: 163.39,-521.65 303.15,-521.65 303.15,-336.61 163.39,-336.61 163.39,-521.65
  region net VCC3V3_MINIPCIE: 842.52,-541.34 809.06,-541.34 809.06,-801.18 842.52,-801.18 842.52,-541.34
  region net VDDREG_PCIE3: 1659.45,-1145.67 1647.64,-1145.67 1647.64,-1171.26 1659.45,-1171.26 1659.45,-1145.67
  region net CORE_SOURCE: 1488.19,-974.41 1547.24,-974.41 1547.24,-1074.8 1488.19,-1074.8 1488.19,-974.41
  region net +V3P3A: 1838.58,-1525.59 1797.24,-1525.59 1797.24,-1606.3 1842.52,-1606.3 1842.52,-1641.73 1866.14,-1641.73 1864.17,-1639.76 1864.17,-1614.17 1909.45,-1614.17 1909.45,-1830.71 1954.72,-1830.71 1954.72,-1568.9 1838.58,-1568.9 1838.58,-1525.59
S1:
  region net 5V: 1064.96,-153.54 1094.49,-153.54 1106.3,-165.35 1106.3,-216.54 1064.96,-216.54 1064.96,-153.54
  region net VDD09/VDD10: 2137.8,-1429.13 2137.8,-1466.54 2185.04,-1466.54 2185.04,-1429.13 2137.8,-1429.13
Bottom:
  region net VCC3V3_SD: 1129.85,-1631.89 1082.68,-1631.89 1064.96,-1649.61 1064.96,-1686.02 1125.91,-1686.02 1129.85,-1682.01 1129.85,-1631.89
  region net 5V: 2019.68,-271.65 2019.68,-346.46 2159.45,-346.46 2159.45,-271.65 2019.68,-271.65
  region net VDDREG_PCIE3: 1679.13,-1090.55 1679.13,-1043.31 1641.73,-1043.31 1641.73,-1188.98 1681.1,-1188.98 1681.1,-1090.55 1679.13,-1090.55
  region net 5V: 165.35,-478.35 312.99,-478.35 312.99,-521.65 165.35,-521.65 165.35,-478.35
  region net VCC3V3_MINIPCIE: 456.69,-1505.91 456.69,-1568.9 618.11,-1568.9 645.67,-1596.46 645.67,-1635.83 675.2,-1665.35 714.57,-1665.35 714.57,-1574.8 645.67,-1505.91 456.69,-1505.91
  region net 5V: 1043.31,-629.92 1074.8,-629.92 1074.8,-673.23 1043.31,-673.23 1043.31,-629.92
GND1 (plane layer: these items are gaps in the copper):
  lines w3.94: -102.36,-2696.85 3039.37,-2696.85 3039.37,17.72 -102.36,17.72 -102.36,-2696.85

## Silkscreen, mask and mechanical layers (free items; w line width, h text height)
Silkscreen Top:
  drawing of 213308 lines, arcs and shapes, not listed
  text "SIM" at 2192.91,-61.02 h39.37
  text "bt3" at 2879.92,-907.48 h23.62
  text "micro SD" at 2679.13,-1716.54 h39.37
  text "bt4" at 2446.85,-1759.84 h23.62
  text "V1.4" at 33.46,-2057.09 h50 r90
  text "Radxa E25" at 31.5,-2564.96 h50 r90
Silkscreen Bottom:
  circle w3.94: c204.72,-1753.94 r140.59
  circle w3.94: c2698.82,-448.82 r135.37
  text "U1-1" at 1692.91,-450.79 h11.81
  text "BT1-m2.5-h1.5" at 2812.99,-472.44 h23.62
  text "BT2-m2.5-h1.5" at 309.06,-1779.53 h23.62
  text "U1-2" at 1751.97,-1793.31 h11.81
  text "HOST" at 1775.59,-2564.96 h23.62
  text "DEVICE" at 2293.31,-2566.93 h23.62
Layer_30:
  drawing of 187980 lines, arcs and shapes, not listed